# Altium PCB PCB1.PcbDoc (part 2 of 2)
Units mm, origin at the board's own origin, x right, y up, seen from the top; angles counter-clockwise.
Board outline 228.6 x 96.01 mm, 2 copper layers (Top Layer, Bottom Layer); 140 components, 87 nets, 531 pads, 47 vias.
Unrouted connection lines stored in the file: 27.
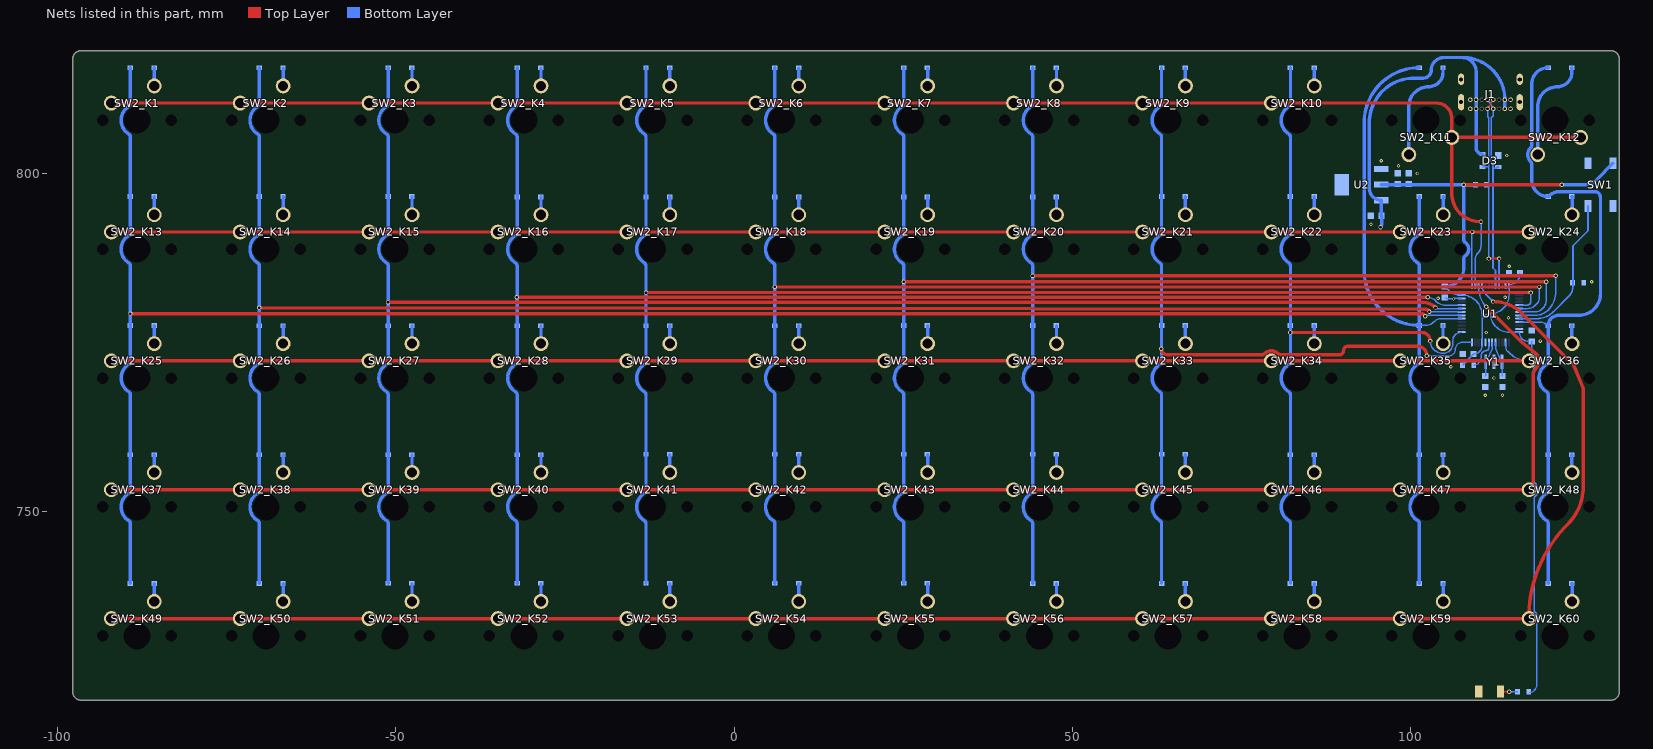
[diagram p2: the nets of this part, all layers, seen from the top]

## Part data
C1 C2 C3 C4 C5 C6: library part SFE-CAPC-0603-0.1µF-25V-±10%-X7R, "Generic Capacitor", capacitance=0.0000001, Case-IEC=0603, Manufacturer=Generic, Tolerance=±10%, Voltage=25V, DesignID=SFE-CAPC-0603-0.1µF-25V-±10%-X7R, Manufacturer Part Number=SFE-CAPC-0603-0.1µF-25V-±10%-X7R
C7: library part SFE-CAPC-0603-10µF-6.3V-±20%-X5R, "Generic Capacitor", capacitance=0.00001, Case-IEC=0603, Manufacturer=Generic, Tolerance=±20%, Voltage=6.3V, DesignID=SFE-CAPC-0603-10µF-6.3V-±20%-X5R, Manufacturer Part Number=SFE-CAPC-0603-10µF-6.3V-±20%-X5R
C8 C9: library part SFE-CAPC-0603-22pF-250V-±2%-C0G/NP0, "Generic Capacitor", capacitance=0.000000000022, Case-IEC=0603, Manufacturer=Generic, Tolerance=±2%, Voltage=250V, DesignID=SFE-CAPC-0603-22pF-250V-±2%-C0G/NP0, Manufacturer Part Number=SFE-CAPC-0603-22pF-250V-±2%-C0G/NP0
D1: library part LTST-C150TBKT, Color=Blue, Current - Test=20mA, Luminous Flux @ Current - Test=-, Manufacturer="Lite-On Inc", Millicandela Rating=104mcd, Package / Case="1206 (3216 Metric)", SafariPartNumber="15 25012RC", Supplier Part Number 1=160-1643-1-ND, Voltage - Forward (Vf) (Typ)=3.3V, Category=Optoelectronics, ComponentLink1Description=http://optoelectronics.liteon.com/upload/download/DS22-2000-026/S_110_LTST-C150TBKT(0630).pdf, ComponentLink1URL=http://optoelectronics.liteon.com/upload/download/DS22-2000-026/S_110_LTST-C150TBKT(0630).pdf, DesignID=LTST-C150TBKT, Height=1.10mm, Lens Style/Size="Rectangle with Flat Top, 2.06mm x 1.6mm", Lens Type=Clear, Manufacturer Part Number=LTST-C150TBKT, Mounting Type="Surface Mount", Packaging="Cut Tape (CT)", Pricing 1="1=0.5, 10=0.369, 100=0.1956, 250=0.13836, 500=0.11808, 1000=0.09225 (USD)", RoHS="RoHS Compliant", Size / Dimension="3.20mm L x 1.60mm W", Stock 1=267579, Supplier 1=Digi-Key, Viewing Angle=130°, Wavelength - Dominant=470nm, Wavelength - Peak=468nm
D3: library part PRTR5V0U2X,215, Capacitance @ Frequency="1pF @ 1MHz", Current - Peak Pulse (10/1000µs)=-, Manufacturer="NXP Semiconductors", Operating Temperature="-40°C ~ 85°C (TA)", Package / Case="TO-253-4, TO-253AA", Power Line Protection=Yes, SafariPartNumber="15 27314RC", Supplier Device Package=SOT-143B, Supplier Part Number 1=568-4140-1-ND, Voltage - Breakdown (Min)=6V, Voltage - Reverse Standoff (Typ)="5.5V (Max)", Applications="General Purpose", Bidirectional Channels=2, Category="Circuit Protection", ComponentLink1Description=Datasheet, ComponentLink1URL=https://assets.nexperia.com/documents/data-sheet/PRTR5V0U2X.pdf, DesignID=PRTR5V0U2X,215, Manufacturer Part Number=PRTR5V0U2X,215, Mounting Type="Surface Mount", Packaging="Cut Tape (CT)", Power - Peak Pulse=-, Pricing 1="1=0.57, 10=0.477, 25=0.418, 100=0.3578, 250=0.31036, 500=0.26286, 1000=0.20265 (USD)", RoHS="RoHS Compliant", Stock 1=19762, Supplier 1=Digi-Key, Type="Steering (Rail to Rail)", Unidirectional Channels=-, Voltage - Clamping (Max) @ Ipp=-
D4_K1 D4_K2 D4_K3 D4_K4 D4_K5 D4_K6 D4_K7 D4_K8 D4_K9 D4_K10 D4_K11 D4_K12 D4_K13 D4_K14 D4_K15 D4_K16 D4_K17 D4_K18 D4_K19 D4_K20 D4_K21 D4_K22 D4_K23 D4_K24 D4_K25 D4_K26 D4_K27 D4_K28 D4_K29 D4_K30 D4_K31 D4_K32 D4_K33 D4_K34 D4_K35 D4_K36 D4_K37 D4_K38 D4_K39 D4_K40 D4_K41 D4_K42 D4_K43 D4_K44 D4_K45 D4_K46 D4_K47 D4_K48 D4_K49 D4_K50 D4_K51 D4_K52 D4_K53 D4_K54 D4_K55 D4_K56 D4_K57 D4_K58 D4_K59 D4_K60: library part 1N4148W-7-F, Capacitance @ Vr, F="2pF @ 0V, 1MHz", Current - Average Rectified (Io)="300mA (DC)", Current - Reverse Leakage @ Vr="1µA @ 75V", Manufacturer="Diodes Incorporated", Operating Temperature - Junction="-65°C ~ 150°C", Package / Case=SOD-123, SafariPartNumber="15 15821RC", Supplier Part Number 1=1N4148W-FDICT-ND, Voltage - DC Reverse (Vr) (Max)=100V, Voltage - Forward (Vf) (Max) @ If="1.25V @ 150mA", Category="Discrete Semiconductor Products", ComponentLink1Description=http://www.diodes.com/_files/datasheets/ds30086.pdf, ComponentLink1URL=http://www.diodes.com/_files/datasheets/ds30086.pdf, DesignID=1N4148W-7-F, Diode Type=Standard, Manufacturer Part Number=1N4148W-7-F, Mounting Type="Surface Mount", Packaging="Cut Tape (CT)", Part Status=Active, Pricing 1="1=0.16, 10=0.149, 100=0.081, 500=0.04986, 1000=0.03399 (USD)", Reverse Recovery Time (trr)=4ns, RoHS="RoHS Compliant", Speed="Small Signal =< 200mA (Io), Any Speed", Stock 1=649808, Supplier 1=Digi-Key, Supplier Device Package=SOD-123
J1: "USB4085 Series 20 V PCB Top Mount USB 2.0 Type C Receptacle", Manufacturer 1="Global Connector Technology", Supplier Part Number 1=72AC6905, ComponentLink1Description=https://datasheet.ciiva.com/71788/2674755-71788146.pdf?src-supplier=Element14, ComponentLink1URL=https://datasheet.ciiva.com/71788/2674755-71788146.pdf?src-supplier=Element14, ComponentLink2Description=https://datasheet.ciiva.com/71788/usb4085-71788147.pdf?src-supplier=Digi-Key, ComponentLink2URL=https://datasheet.ciiva.com/71788/usb4085-71788147.pdf?src-supplier=Digi-Key, Contact Material="Copper Alloy", Contact Plating=Gold, Gender=Receptacle, Manufacturer Part Number 1=USB4085-GF-A, Number of Positions=16, Orientation="Right Angle", Pricing 1="1=1.38000, 10=1.23000, 25=1.15000, 50=1.06000, 100=0.91100, 250=0.83700, 700=0.77300, 1400=0.72600 (USD)", RoHS=No, Supplier 1=Newark, USB Standard="USB 2.0"
R1: library part SFE-RES-0603-470-0.1W-5%, "Generic Resistor", Case-IEC=0603, Manufacturer=Generic, Power=0.1W, Resistance=470, Temperature Coefficient=PPM, Tolerance=5%, ValueString=4705%, DesignID=SFE-RES-0603-470-0.1W-5%, Manufacturer Part Number=SFE-RES-0603-470-0.1W-5%
R2 R4: library part SFE-RES-0603-10K-0.1W-5%, "Generic Resistor", Case-IEC=0603, Manufacturer=Generic, Power=0.1W, Resistance=10000, Temperature Coefficient=PPM, Tolerance=5%, ValueString=10K5%, DesignID=SFE-RES-0603-10K-0.1W-5%, Manufacturer Part Number=SFE-RES-0603-10K-0.1W-5%
R3: library part SFE-RES-0603-1.5K-0.1W-5%, "Generic Resistor", Case-IEC=0603, Manufacturer=Generic, Power=0.1W, Resistance=1500, Temperature Coefficient=PPM, Tolerance=5%, ValueString=1.5K5%, DesignID=SFE-RES-0603-1.5K-0.1W-5%, Manufacturer Part Number=SFE-RES-0603-1.5K-0.1W-5%
SW1: library part TL3342F160QG/TR, Contact Rating @ Voltage="0.05A @ 12VDC", Illumination Type, Color=-, Manufacturer=E-Switch, Operating Force=160gf, Supplier Part Number 1=EG2531CT-ND, Actuator Height off PCB, from Pins=1.54mm, Actuator Material="Polyphenylene Sulfide (PPS)", Actuator Orientation="Top Actuated", Actuator Type=Standard, Category=Switches, Circuit=SPST-NO, ComponentLink1Description=https://www.e-switch.com/system/asset/product_line/data_sheet/165/TL3342.pdf, ComponentLink1URL=https://www.e-switch.com/system/asset/product_line/data_sheet/165/TL3342.pdf, DesignID=TL3342F160QG/TR, Features=-, Illumination=Non-Illuminated, Illumination Voltage (Nominal)=-, Ingress Protection=-, Manufacturer Part Number=TL3342F160QG/TR, Mechanical Life="100,000 Cycles", Mounting Type="Surface Mount", Operating Temperature=-, Outline="4.90mm x 4.90mm", Packaging="Cut Tape (CT)", Pricing 1="1=0.63, 10=0.603, 25=0.5916, 50=0.5694, 100=0.4913, 250=0.4466, 500=0.42428, 1000=0.33495 (USD)", RoHS="RoHS Compliant", Stock 1=54320, Supplier 1=Digi-Key, Switch Function=Off-Mom, Switch Travel=-, Termination Style="Gull Wing"
SW2_K1 SW2_K2 SW2_K3 SW2_K4 SW2_K5 SW2_K6 SW2_K7 SW2_K8 SW2_K9 SW2_K10 SW2_K11 SW2_K12 SW2_K13 SW2_K14 SW2_K15 SW2_K16 SW2_K17 SW2_K18 SW2_K19 SW2_K20 SW2_K21 SW2_K22 SW2_K23 SW2_K24 SW2_K25 SW2_K26 SW2_K27 SW2_K28 SW2_K29 SW2_K30 SW2_K31 SW2_K32 SW2_K33 SW2_K34 SW2_K35 SW2_K36 SW2_K37 SW2_K38 SW2_K39 SW2_K40 SW2_K41 SW2_K42 SW2_K43 SW2_K44 SW2_K45 SW2_K46 SW2_K47 SW2_K48 SW2_K49 SW2_K50 SW2_K51 SW2_K52 SW2_K53 SW2_K54 SW2_K55 SW2_K56 SW2_K57 SW2_K58 SW2_K59 SW2_K60: "SWITCH PUSH SPST-NO 0.01A 12V", Contact Current Rating=10mA, Contact Resistance=200mR, Flammability Rating="UL94 HB", Manufacturer 1=Cherry, Max Operating Temperature=70°C, Max Voltage Rating (AC)=12V, Min Operating Temperature=-10°C, Operating Force=0.5N, Package Quantity=1000, Supplier Part Number 1=CH197-ND, Actuator Length=3.6mm, ComponentLink1Description=https://datasheet.ciiva.com/2869/mx20series-2869568.pdf?src-supplier=Digi-Key, ComponentLink1URL=https://datasheet.ciiva.com/2869/mx20series-2869568.pdf?src-supplier=Digi-Key, ComponentLink2Description=https://datasheet.ciiva.com/5259/mx-cat-216303-5259204.pdf?src-supplier=Mouser, ComponentLink2URL=https://datasheet.ciiva.com/5259/mx-cat-216303-5259204.pdf?src-supplier=Mouser, Contact Material=Gold,Silver, Contact Plating=Gold, Current Rating=10mA, Electrical Life=20000000Cycles, Housing Material=Thermoplastic, Lead Free="Lead Free", Length=15.6mm, Manufacturer Part Number 1=MX1A-E1NW, Max Current Rating=10mA, Max Voltage Rating (DC)=12V, Mechanical Life=20000000Cycles, Mount="Through Hole", Number of Terminals=2, Orientation=Straight, Packaging=Bulk, Pricing 1="1=0.90000, 10=0.84000, 25=0.80000, 50=0.76000, 100=0.74000, 250=0.72000, 500=0.68000, 1000=0.64000, 5000=0.54000 (USD)", RoHS=Yes, Row Spacing=2.54mm, Stock 1=7477, Supplier 1=Digi-Key, Switch Function=Off-Mom, Terminal Pitch=6.35mm, Termination="PC Pin", Throw Configuration=SPST, Voltage Rating (AC)=12V, Voltage Rating (DC)=12V, Width=15.6mm
U1: library part STM32F303CCT6, Case/Package=LQFP, Frequency=72MHz, Manufacturer="ST Micro", Manufacturer 1=STMicroelectronics, Max Operating Temperature=85°C, Max Supply Voltage=3.6V, Min Operating Temperature=-40°C, Min Supply Voltage=2V, Package Quantity=250, Supplier Part Number 1=497-13318-ND, ComponentLink1Description=https://datasheet.ciiva.com/14666/0900766b81171360-14666656.pdf?src-supplier=RSComponents, ComponentLink1URL=https://datasheet.ciiva.com/14666/0900766b81171360-14666656.pdf?src-supplier=RSComponents, ComponentLink2Description=https://datasheet.ciiva.com/8055/1831499-8055015.pdf?src-supplier=Element14, ComponentLink2URL=https://datasheet.ciiva.com/8055/1831499-8055015.pdf?src-supplier=Element14, Contact Plating=Gold, Core Architecture=ARM, Data Bus Width=32b, DesignID=STM32F303CCT6, Height=1.45mm, Interface=I2C,SPI,USB,CAN,IrDA,UART,USART,LIN,I2S, Lead Free="Lead Free", Length=10mm, Manufacturer Part Number=STM32F303CCT6, Manufacturer Part Number 1=STM32F303CCT6, Max Frequency=72MHz, Memory Size=256KB, Memory Type=FLASH, Number of ADC Channels=39, Number of I/Os=37, Number of I2C Channels=2, Number of Pins=48, Number of Programmable I/O=27, Number of SPI Channels=3, Number of Timers/Counters=10, Number of USB Channels=1, Oscillator Type=Internal, Packaging=Tray, Peripherals=POR,PWM,WDT,DMA, Pricing 1="1=5.94000, 10=5.33600, 100=4.37190, 500=3.72172, 1000=3.13880 (USD)", Radiation Hardening=No, RAM Size=40KB, REACH SVHC="No SVHC", RoHS=Yes, Stock 1=5656, Supplier 1=Digi-Key, Watchdog Timer=Yes, Width=7.2mm
U2: library part LM1117IMPX-3.3/NOPB, Current - Limit (Min)=800mA, Manufacturer="Texas Instruments", Operating Temperature="-40°C ~ 125°C", Package / Case="TO-261-4, TO-261AA", SafariPartNumber="15 24656RC", Supplier Device Package=SOT-223-4, Supplier Part Number 1=LM1117IMPX-3.3/NOPBCT-ND, Voltage - Dropout (Typical)="1.2V @ 800mA", Voltage - Input="Up to 15V", Voltage - Output=3.3V, Category="Integrated Circuits (ICs)", ComponentLink1Description=http://www.ti.com/lit/ds/symlink/lm1117.pdf, ComponentLink1URL=http://www.ti.com/lit/ds/symlink/lm1117.pdf, Current - Output=800mA, DesignID=LM1117IMPX-3.3/NOPB, Manufacturer Part Number=LM1117IMPX-3.3/NOPB, Mounting Type="Surface Mount", Number of Regulators=1, Packaging="Cut Tape (CT)", Pricing 1="1=1.04, 10=0.927, 100=0.7229, 500=0.5978, 1000=0.47275 (USD)", Regulator Topology="Positive Fixed", RoHS="RoHS Compliant", Stock 1=19906, Supplier 1=Digi-Key, Supplier 2=Mouser, Supplier 3=Newark, Supplier Part Number 2=926-LM1117IMPX33NOPB, Supplier Part Number 3=28X3413
Y1: library part CSTCE8M00G55-R0, capacitance=33pF, Frequency=8MHz, Frequency Stability=±0.2%, Frequency Tolerance=±0.5%, Manufacturer="Murata Electronics North America", Operating Temperature="-20°C ~ 80°C", Package / Case="3-SMD, Non-Standard", Supplier Part Number 1=490-1195-1-ND, Category="Crystals and Oscillators", ComponentLink1Description=http://www.murata.com/~/media/webrenewal/support/library/catalog/products/timingdevice/ceralock/p16e.ashx, ComponentLink1URL=http://www.murata.com/~/media/webrenewal/support/library/catalog/products/timingdevice/ceralock/p16e.ashx, DesignID=CSTCE8M00G55-R0, Features="Built in Capacitor", Height="0.031\" (0.80mm)", Impedance=-, Manufacturer Part Number=CSTCE8M00G55-R0, Mounting Type="Surface Mount", Packaging="Cut Tape (CT)", Pricing 1="1=0.46, 10=0.384, 50=0.3456, 100=0.3074, 500=0.29134, 1000=0.24595 (USD)", RoHS="RoHS Compliant", Size / Dimension="0.126\" L x 0.051\" W (3.20mm x 1.30mm)", Stock 1=11412, Supplier 1=Digi-Key, Type=Ceramic

## Via types
v1: diameter 0.635, hole 0.381, Top Layer to Bottom Layer, tented both sides, 30 vias
v2: diameter 0.508, hole 0.254, Top Layer to Bottom Layer, tented both sides, 17 vias

## Nets (pads, with @x,y where several pads share a name; then routed paths per layer and width w, separated by ;. In a path a pad name is that pad's centre, name@x,y a point inside that pad or via, vN(x,y) a via of type N, cw(c..) or ccw(c..) an arc to the next point about the centre after c; other vN are vias at no path point)
Col1: D4_K1.1 D4_K13.1 D4_K25.1 D4_K37.1 D4_K49.1 U1.18 | length 277.1
  Top Layer w0.5: v1(-89.253,779.272) 101.617,779.272 ; 101.618,779.272 cw(c101.615,778.772) 102.095,778.912 v1(102.108,778.868)
  Bottom Layer w0.2: v1(102.108,778.868) cw(c102.302,778.818) 102.302,779.018 107.506,779.018 U1.18@107.51,779.022
  Bottom Layer w0.5: D4_K49.1@-89.253,739.422 -89.253,748.24 ccw(c-89.753,748.242) -89.494,748.669 cw(c-88.265,750.697) -89.494,752.725 ccw(c-89.753,753.152) -89.253,753.154 D4_K37.1@-89.253,758.416 -89.253,767.29 ccw(c-89.753,767.292) -89.494,767.719 cw(c-88.265,769.747) -89.494,771.775 ccw(c-89.753,772.202) -89.253,772.204 D4_K25.1@-89.253,777.522 v1(-89.253,779.272) -89.253,786.34 ccw(c-89.753,786.342) -89.494,786.769 cw(c-88.265,788.797) -89.494,790.825 ccw(c-89.753,791.252) -89.253,791.254 D4_K13.1@-89.253,796.572 -89.253,805.39 ccw(c-89.753,805.392) -89.494,805.819 cw(c-88.265,807.847) -89.494,809.875 ccw(c-89.753,810.302) -89.253,810.304 D4_K1.1@-89.253,815.594
Col2: D4_K2.1 D4_K14.1 D4_K26.1 D4_K38.1 D4_K50.1 U1.19 | length 258
  Top Layer w0.5: v1(-70.231,780.161) 101.615,779.899 102.171,779.898 cw(c102.172,779.398) 102.343,779.868 102.457,779.826 cw(c102.288,779.356) 102.741,779.567 v1(102.743,779.562)
  Bottom Layer w0.2: v1(102.743,779.562) 102.743,779.526 102.747,779.522 U1.19@107.51,779.522
  Bottom Layer w0.5: D4_K50.1@-70.203,739.422 -70.203,748.24 ccw(c-70.703,748.242) -70.444,748.669 cw(c-69.215,750.697) -70.444,752.725 ccw(c-70.703,753.152) -70.203,753.154 -70.203,767.29 ccw(c-70.703,767.292) -70.444,767.719 cw(c-69.215,769.747) -70.444,771.775 ccw(c-70.703,772.202) -70.203,772.204 -70.203,786.34 ccw(c-70.703,786.342) -70.444,786.769 cw(c-69.215,788.797) -70.444,790.825 ccw(c-70.703,791.252) -70.203,791.254 D4_K14.1@-70.203,796.572 -70.203,805.39 ccw(c-70.703,805.392) -70.444,805.819 cw(c-69.215,807.847) -70.444,809.875 ccw(c-70.703,810.302) -70.203,810.304 D4_K2.1@-70.203,815.622
Col3: D4_K3.1 D4_K15.1 D4_K27.1 D4_K39.1 D4_K51.1 U1.20 | length 239.1
  Top Layer w0.5: v1(-51.181,780.923) 101.792,780.923 cw(c101.792,778.321) v1(103.632,780.161)
  Bottom Layer w0.2: v1(103.632,780.161) 103.759,780.034 ccw(c103.788,780.063) 103.788,780.022 U1.20@107.51,780.022
  Bottom Layer w0.5: D4_K51.1@-51.153,739.422 -51.153,748.24 ccw(c-51.653,748.242) -51.394,748.669 cw(c-50.165,750.697) -51.394,752.725 ccw(c-51.653,753.152) -51.153,753.154 -51.153,767.29 ccw(c-51.653,767.292) -51.394,767.719 cw(c-50.165,769.747) -51.394,771.775 ccw(c-51.653,772.202) -51.153,772.204 -51.153,786.34 ccw(c-51.653,786.342) -51.394,786.769 cw(c-50.165,788.797) -51.394,790.825 ccw(c-51.653,791.252) -51.153,791.254 D4_K15.1@-51.153,796.572 -51.153,805.39 ccw(c-51.653,805.392) -51.394,805.819 cw(c-50.165,807.847) -51.394,809.875 ccw(c-51.653,810.302) -51.153,810.304 D4_K3.1@-51.153,815.622
Col4: D4_K4.1 D4_K16.1 D4_K28.1 D4_K40.1 D4_K52.1 U1.21 | length 220.1
  Top Layer w0.5: v1(-32.131,781.685) v1(102.489,781.685)
  Bottom Layer w0.2: v1(102.489,781.685) cw(c102.489,780.152) 103.573,781.236 103.759,781.05 ccw(c105.034,782.325) 105.034,780.522 U1.21@107.51,780.522
  Bottom Layer w0.5: D4_K52.1@-32.103,739.422 -32.103,748.24 ccw(c-32.603,748.242) -32.344,748.669 cw(c-31.115,750.697) -32.344,752.725 ccw(c-32.603,753.152) -32.103,753.154 -32.103,767.29 ccw(c-32.603,767.292) -32.344,767.719 cw(c-31.115,769.747) -32.344,771.775 ccw(c-32.603,772.202) -32.103,772.204 -32.103,786.34 ccw(c-32.603,786.342) -32.344,786.769 cw(c-31.115,788.797) -32.344,790.825 ccw(c-32.603,791.252) -32.103,791.254 -32.103,805.39 ccw(c-32.603,805.392) -32.344,805.819 cw(c-31.115,807.847) -32.344,809.875 ccw(c-32.603,810.302) -32.103,810.304 D4_K4.1@-32.103,815.622
Col5: D4_K5.1 D4_K17.1 D4_K29.1 D4_K41.1 D4_K53.1 U1.40 | length 214.3
  Top Layer w0.5: v1(-13.053,782.379) v1(117.729,782.379)
  Bottom Layer w0.2: U1.40@116.01,780.522 117.201,780.522 ccw(c117.201,781.05) 117.729,781.05 v1(117.729,782.379)
  Bottom Layer w0.5: D4_K53.1@-13.053,739.422 -13.053,748.24 ccw(c-13.553,748.242) -13.294,748.669 cw(c-12.065,750.697) -13.294,752.725 ccw(c-13.553,753.152) -13.053,753.154 D4_K41.1@-13.053,758.472 -13.053,767.29 ccw(c-13.553,767.292) -13.294,767.719 cw(c-12.065,769.747) -13.294,771.775 ccw(c-13.553,772.202) -13.053,772.204 D4_K29.1@-13.053,777.466 v1(-13.053,782.379) -13.053,786.34 ccw(c-13.553,786.342) -13.294,786.769 cw(c-12.065,788.797) -13.294,790.825 ccw(c-13.553,791.252) -13.053,791.254 D4_K17.1@-13.053,796.516 -13.053,805.39 ccw(c-13.553,805.392) -13.294,805.819 cw(c-12.065,807.847) -13.294,809.875 ccw(c-13.553,810.302) -13.053,810.304 D4_K5.1@-13.053,815.594 D4_K5.1@-13.053,815.622
Col6: D4_K6.1 D4_K18.1 D4_K30.1 D4_K42.1 D4_K54.1 U1.41 | length 198.6
  Top Layer w0.5: v1(5.969,783.209) v1(118.999,783.209)
  Bottom Layer w0.2: U1.41@116.01,780.022 117.209,780.022 ccw(c117.209,781.812) 118.999,781.812 v1(118.999,783.209)
  Bottom Layer w0.5: D4_K54.1@5.997,739.422 5.997,748.24 ccw(c5.497,748.242) 5.756,748.669 cw(c6.985,750.697) 5.756,752.725 ccw(c5.497,753.152) 5.997,753.154 D4_K42.1@5.997,758.472 5.997,767.29 ccw(c5.497,767.292) 5.756,767.719 cw(c6.985,769.747) 5.756,771.775 ccw(c5.497,772.202) 5.997,772.204 5.997,786.34 ccw(c5.497,786.342) 5.756,786.769 cw(c6.985,788.797) 5.756,790.825 ccw(c5.497,791.252) 5.997,791.254 5.997,805.39 ccw(c5.497,805.392) 5.756,805.819 cw(c6.985,807.847) 5.756,809.875 ccw(c5.497,810.302) 5.997,810.304 D4_K6.1@5.997,815.622
Col7: D4_K7.1 D4_K19.1 D4_K31.1 D4_K43.1 D4_K55.1 U1.42 | length 182.8
  Top Layer w0.5: v1(25.019,783.971) v1(120.015,783.971)
  Bottom Layer w0.2: U1.42@116.01,779.522 118.233,779.522 ccw(c118.233,781.304) 120.015,781.304 v1(120.015,783.971)
  Bottom Layer w0.5: D4_K55.1@25.047,739.422 25.047,748.24 ccw(c24.547,748.242) 24.806,748.669 cw(c26.035,750.697) 24.806,752.725 ccw(c24.547,753.152) 25.047,753.154 D4_K43.1@25.047,758.472 25.047,767.29 ccw(c24.547,767.292) 24.806,767.719 cw(c26.035,769.747) 24.806,771.775 ccw(c24.547,772.202) 25.047,772.204 D4_K31.1@25.047,777.522 25.047,786.34 ccw(c24.547,786.342) 24.806,786.769 cw(c26.035,788.797) 24.806,790.825 ccw(c24.547,791.252) 25.047,791.254 25.047,805.39 ccw(c24.547,805.392) 24.806,805.819 cw(c26.035,807.847) 24.806,809.875 ccw(c24.547,810.302) 25.047,810.304 D4_K7.1@25.047,815.622
Col8: D4_K8.1 D4_K20.1 D4_K32.1 D4_K44.1 D4_K56.1 U1.43 | length 167.3
  Top Layer w0.5: v1(44.069,784.86) v1(121.412,784.86)
  Bottom Layer w0.2: U1.43@116.01,779.022 118.439,779.022 ccw(c118.439,781.61) 120.269,779.78 ccw(c117.51,782.539) 121.412,782.539 v1(121.412,784.86)
  Bottom Layer w0.5: D4_K56.1@44.097,739.422 44.097,748.24 ccw(c43.597,748.242) 43.856,748.669 cw(c45.085,750.697) 43.856,752.725 ccw(c43.597,753.152) 44.097,753.154 D4_K44.1@44.097,758.472 44.097,767.29 ccw(c43.597,767.292) 43.856,767.719 cw(c45.085,769.747) 43.856,771.775 ccw(c43.597,772.202) 44.097,772.204 D4_K32.1@44.097,777.522 44.097,786.34 ccw(c43.597,786.342) 43.856,786.769 cw(c45.085,788.797) 43.856,790.825 ccw(c43.597,791.252) 44.097,791.254 44.097,805.39 ccw(c43.597,805.392) 43.856,805.819 cw(c45.085,807.847) 43.856,809.875 ccw(c43.597,810.302) 44.097,810.304 D4_K8.1@44.097,815.622
Col9: D4_K9.1 D4_K21.1 D4_K33.1 D4_K45.1 D4_K57.1 U1.12 | length 129.5
  Top Layer w0.5: v1(63.119,774.065) ccw(c64.008,774.065) 64.008,773.176 77.968,773.176 ccw(c77.968,773.676) 78.324,773.325 cw(c79.375,772.287) 80.426,773.325 ccw(c80.782,773.676) 80.782,773.176 87.374,773.176 87.376,773.176 89.408,773.176 ccw(c89.408,773.811) 90.043,773.811 cw(c90.678,773.811) 90.678,774.446 100.965,774.446 cw(c100.965,773.049) v1(102.362,773.049)
  Bottom Layer w0.2: v1(102.362,773.049) 105.664,773.049 ccw(c105.664,773.938) 106.553,773.938 cw(c107.637,773.938) 107.637,775.022 U1.12@109.01,775.022
  Bottom Layer w0.5: D4_K57.1@63.147,739.422 63.147,748.24 ccw(c62.647,748.242) 62.906,748.669 cw(c64.135,750.697) 62.906,752.725 ccw(c62.647,753.152) 63.147,753.154 D4_K45.1@63.147,758.472 63.147,767.29 ccw(c62.647,767.292) 62.906,767.719 cw(c64.135,769.747) 62.906,771.775 ccw(c62.647,772.202) 63.147,772.204 D4_K33.1@63.147,777.522 63.147,786.34 ccw(c62.647,786.342) 62.906,786.769 cw(c64.135,788.797) 62.906,790.825 ccw(c62.647,791.252) 63.147,791.254 D4_K21.1@63.147,796.572 63.147,805.39 ccw(c62.647,805.392) 62.906,805.819 cw(c64.135,807.847) 62.906,809.875 ccw(c62.647,810.302) 63.147,810.304 D4_K9.1@63.147,815.622
Col10: D4_K10.1 D4_K22.1 D4_K34.1 D4_K46.1 D4_K58.1 U1.13 | length 109.2
  Top Layer w0.5: v1(82.169,776.478) 101.6,776.478 cw(c101.6,775.208) v1(102.87,775.208)
  Bottom Layer w0.2: v1(102.87,775.208) ccw(c104.648,775.208) 104.648,773.43 104.86,773.43 ccw(c104.86,774.742) 106.172,774.742 106.172,775.184 cw(c107.51,775.184) U1.13@107.51,776.522
  Bottom Layer w0.5: D4_K58.1@82.197,739.422 82.197,748.24 ccw(c81.697,748.242) 81.956,748.669 cw(c83.185,750.697) 81.956,752.725 ccw(c81.697,753.152) 82.197,753.154 82.197,767.29 ccw(c81.697,767.292) 81.956,767.719 cw(c83.185,769.747) 81.956,771.775 ccw(c81.697,772.202) 82.197,772.204 D4_K34.1@82.197,777.522 82.197,786.34 ccw(c81.697,786.342) 81.956,786.769 cw(c83.185,788.797) 81.956,790.825 ccw(c81.697,791.252) 82.197,791.254 D4_K22.1@82.197,796.572 82.197,805.39 ccw(c81.697,805.392) 81.956,805.819 cw(c83.185,807.847) 81.956,809.875 ccw(c81.697,810.302) 82.197,810.304 D4_K10.1@82.197,815.622
Col11: D4_K11.1 D4_K23.1 D4_K35.1 D4_K47.1 D4_K59.1 U1.17 | length 114
  Bottom Layer w0.2: D4_K35.1@101.247,777.522 102.04,777.522 ccw(c102.04,779.594) 103.505,778.129 cw(c104.454,777.18) 104.454,778.522 U1.17@107.51,778.522
  Bottom Layer w0.5: D4_K59.1@101.247,739.422 101.247,748.24 ccw(c100.747,748.242) 101.006,748.669 cw(c102.235,750.697) 101.006,752.725 ccw(c100.747,753.152) 101.247,753.154 D4_K47.1@101.247,758.416 101.247,767.29 ccw(c100.747,767.292) 101.006,767.719 cw(c102.235,769.747) 101.006,771.775 ccw(c100.747,772.202) 101.247,772.204 D4_K35.1@101.247,777.522 ; D4_K23.1@101.247,796.572 101.247,791.254 cw(c100.747,791.252) 101.006,790.825 ccw(c102.235,788.797) 101.006,786.769 cw(c100.747,786.342) 101.247,786.34 D4_K35.1@101.247,777.522 ; D4_K11.1@101.247,815.622 ccw(c101.247,807.466) 93.091,807.466 93.091,785.678 ccw(c101.247,785.678) D4_K35.1@101.247,777.522
Col12: D4_K12.1 D4_K24.1 D4_K36.1 D4_K48.1 D4_K60.1 U1.45 | length 99.7
  Bottom Layer w0.2: U1.45@116.01,778.022 118.955,778.022 cw(c118.955,776.124) D4_K36.1@120.297,777.466
  Bottom Layer w0.5: D4_K60.1@120.297,739.422 120.297,748.24 ccw(c119.797,748.242) 120.056,748.669 cw(c121.285,750.697) 120.056,752.725 ccw(c119.797,753.152) 120.297,753.154 D4_K48.1@120.297,758.416 120.297,767.29 ccw(c119.797,767.292) 120.056,767.719 cw(c121.285,769.747) 120.056,771.775 ccw(c119.797,772.202) 120.297,772.204 D4_K36.1@120.297,777.466 cw(c121.849,777.466) 121.849,779.018 124.841,779.018 ccw(c124.841,782.193) 128.016,782.193 128.016,796.417 ccw(c127.127,796.417) 127.127,797.306 122.069,797.306 ccw(c122.069,794.8) D4_K24.1@120.297,796.572 cw(c120.297,799.013) 117.856,799.013 117.856,801.359 ccw(c117.356,801.36) 117.707,801.716 cw(c118.745,802.767) 117.707,803.818 ccw(c117.356,804.174) 117.856,804.175 117.856,813.181 cw(c120.297,813.181) D4_K12.1@120.297,815.622
GND: C1.2 C2.2 C3.2 C4.2 C5.2 C6.2 C7.2 C8.2 C9.2 D1.1 D3.1 J1.1 J1.8 J1.9 J1.16 J1.17 J1.18 J1.19 J1.20 R2.1 U1.8 U1.23 U1.35 U1.47 U2.1 Y1.2 | length 2.6
  Bottom Layer w0.2: C2.2@105.029,781.647 ccw(c105.55,782.168) 105.55,781.431 v2(106.299,781.431) cw(c106.519,781.211) 106.519,781.522 U1.23@107.51,781.522
  other v2: 110.998,767.207 113.538,767.207 112.268,769.747 105.918,771.398 119.126,775.208 111.125,776.478 114.427,778.637 104.013,781.558 113.919,781.685 126.746,783.971 114.554,786.257 94.107,792.48 100.965,799.973 98.171,801.116 95.631,801.878 114.173,802.64
NetC8_1: C8.1 U1.6 Y1.1 | length 5.2
  Bottom Layer w0.2: C8.1@110.998,770.039 ccw(c110.829,770.208) 111.068,770.208 Y1.1@111.068,772.16 Y1.1@111.266,772.358 ; Y1.1@111.267,772.359 ccw(c111.124,772.499) 111.309,772.423 111.995,774.077 ccw(c111.81,774.154) 112.01,774.154 U1.6@112.01,775.022
NetC9_1: C9.1 U1.5 Y1.3 | length 5.2
  Bottom Layer w0.2: U1.5@112.51,775.022 112.51,774.17 ccw(c112.71,774.17) 112.525,774.094 113.211,772.438 ccw(c113.396,772.515) 113.254,772.374 Y1.3@113.468,772.16 113.468,770.208 ccw(c113.707,770.208) C9.1@113.538,770.039
NetD1_2: D1.2 R1.1 | length 2.5
  Top Layer w0.2: D1.2@113.233,723.392 v1(114.554,723.392)
  Bottom Layer w0.2: v1(114.554,723.392) R1.1@115.761,723.392
NetD4_K1_2: D4_K1.2 SW2_K1.2 | length 2.7
  Bottom Layer w0.5: D4_K1.2@-85.753,815.594 cw(c-85.753,815.566) -85.725,815.566 SW2_K1.2@-85.725,812.927
NetD4_K2_2: D4_K2.2 SW2_K2.2 | length 2.6
  Bottom Layer w0.5: SW2_K2.2@-66.675,812.927 D4_K2.2@-66.675,815.566
NetD4_K3_2: D4_K3.2 SW2_K3.2 | length 2.6
  Bottom Layer w0.5: SW2_K3.2@-47.625,812.927 D4_K3.2@-47.625,815.566
NetD4_K4_2: D4_K4.2 SW2_K4.2 | length 2.6
  Bottom Layer w0.5: SW2_K4.2@-28.575,812.927 D4_K4.2@-28.575,815.566
NetD4_K5_2: D4_K5.2 SW2_K5.2 | length 2.6
  Bottom Layer w0.5: SW2_K5.2@-9.525,812.927 D4_K5.2@-9.525,815.566
NetD4_K6_2: D4_K6.2 SW2_K6.2 | length 2.6
  Bottom Layer w0.5: SW2_K6.2@9.525,812.927 D4_K6.2@9.525,815.566
NetD4_K7_2: D4_K7.2 SW2_K7.2 | length 2.6
  Bottom Layer w0.5: SW2_K7.2@28.575,812.927 D4_K7.2@28.575,815.566
NetD4_K8_2: D4_K8.2 SW2_K8.2 | length 2.6
  Bottom Layer w0.5: SW2_K8.2@47.625,812.927 D4_K8.2@47.625,815.566
NetD4_K9_2: D4_K9.2 SW2_K9.2 | length 2.6
  Bottom Layer w0.5: SW2_K9.2@66.675,812.927 D4_K9.2@66.675,815.566
NetD4_K10_2: D4_K10.2 SW2_K10.2 | length 2.6
  Bottom Layer w0.5: SW2_K10.2@85.725,812.927 D4_K10.2@85.725,815.566
NetD4_K11_2: D4_K11.2 SW2_K11.2 | length 15.7
  Bottom Layer w0.5: SW2_K11.2@99.695,802.767 99.695,809.879 cw(c102.616,809.879) 102.616,812.8 ccw(c102.616,814.931) 104.747,814.931 D4_K11.2@104.747,815.622
NetD4_K12_2: D4_K12.2 SW2_K12.2 | length 15.7
  Bottom Layer w0.5: SW2_K12.2@118.745,802.767 118.745,809.879 cw(c121.666,809.879) 121.666,812.8 ccw(c121.666,814.931) 123.797,814.931 D4_K12.2@123.797,815.622
NetD4_K13_2: D4_K13.2 SW2_K13.2 | length 2.6
  Bottom Layer w0.5: SW2_K13.2@-85.725,793.877 D4_K13.2@-85.725,796.516
NetD4_K14_2: D4_K14.2 SW2_K14.2 | length 2.6
  Bottom Layer w0.5: SW2_K14.2@-66.675,793.877 D4_K14.2@-66.675,796.516
NetD4_K15_2: D4_K15.2 SW2_K15.2 | length 2.6
  Bottom Layer w0.5: SW2_K15.2@-47.625,793.877 D4_K15.2@-47.625,796.516
NetD4_K16_2: D4_K16.2 SW2_K16.2 | length 2.6
  Bottom Layer w0.5: SW2_K16.2@-28.575,793.877 D4_K16.2@-28.575,796.516
NetD4_K17_2: D4_K17.2 SW2_K17.2 | length 2.6
  Bottom Layer w0.5: SW2_K17.2@-9.525,793.877 D4_K17.2@-9.525,796.516
NetD4_K18_2: D4_K18.2 SW2_K18.2 | length 2.6
  Bottom Layer w0.5: SW2_K18.2@9.525,793.877 D4_K18.2@9.525,796.516
NetD4_K19_2: D4_K19.2 SW2_K19.2 | length 2.6
  Bottom Layer w0.5: SW2_K19.2@28.575,793.877 D4_K19.2@28.575,796.516
NetD4_K20_2: D4_K20.2 SW2_K20.2 | length 2.6
  Bottom Layer w0.5: SW2_K20.2@47.625,793.877 D4_K20.2@47.625,796.516
NetD4_K21_2: D4_K21.2 SW2_K21.2 | length 2.6
  Bottom Layer w0.5: SW2_K21.2@66.675,793.877 D4_K21.2@66.675,796.516
NetD4_K22_2: D4_K22.2 SW2_K22.2 | length 2.6
  Bottom Layer w0.5: SW2_K22.2@85.725,793.877 D4_K22.2@85.725,796.516
NetD4_K23_2: D4_K23.2 SW2_K23.2 | length 2.7
  Bottom Layer w0.5: D4_K23.2@104.747,796.572 cw(c104.747,796.544) 104.775,796.544 SW2_K23.2@104.775,793.877
NetD4_K24_2: D4_K24.2 SW2_K24.2 | length 2.7
  Bottom Layer w0.5: D4_K24.2@123.797,796.572 cw(c123.797,796.544) 123.825,796.544 SW2_K24.2@123.825,793.877
NetD4_K25_2: D4_K25.2 SW2_K25.2 | length 2.6
  Bottom Layer w0.5: SW2_K25.2@-85.725,774.827 D4_K25.2@-85.725,777.466
NetD4_K26_2: D4_K26.2 SW2_K26.2 | length 2.6
  Bottom Layer w0.5: SW2_K26.2@-66.675,774.827 D4_K26.2@-66.675,777.466
NetD4_K27_2: D4_K27.2 SW2_K27.2 | length 2.6
  Bottom Layer w0.5: SW2_K27.2@-47.625,774.827 D4_K27.2@-47.625,777.466
NetD4_K28_2: D4_K28.2 SW2_K28.2 | length 2.6
  Bottom Layer w0.5: SW2_K28.2@-28.575,774.827 D4_K28.2@-28.575,777.466
NetD4_K29_2: D4_K29.2 SW2_K29.2 | length 2.6
  Bottom Layer w0.5: SW2_K29.2@-9.525,774.827 D4_K29.2@-9.525,777.466
NetD4_K30_2: D4_K30.2 SW2_K30.2 | length 2.6
  Bottom Layer w0.5: SW2_K30.2@9.525,774.827 D4_K30.2@9.525,777.466
NetD4_K31_2: D4_K31.2 SW2_K31.2 | length 2.6
  Bottom Layer w0.5: SW2_K31.2@28.575,774.827 D4_K31.2@28.575,777.466
NetD4_K32_2: D4_K32.2 SW2_K32.2 | length 2.6
  Bottom Layer w0.5: SW2_K32.2@47.625,774.827 D4_K32.2@47.625,777.466
NetD4_K33_2: D4_K33.2 SW2_K33.2 | length 2.6
  Bottom Layer w0.5: SW2_K33.2@66.675,774.827 D4_K33.2@66.675,777.466
NetD4_K34_2: D4_K34.2 SW2_K34.2 | length 2.6
  Bottom Layer w0.5: SW2_K34.2@85.725,774.827 D4_K34.2@85.725,777.466
NetD4_K35_2: D4_K35.2 SW2_K35.2 | length 2.7
  Bottom Layer w0.5: D4_K35.2@104.747,777.522 104.747,774.855 ccw(c104.775,774.855) SW2_K35.2@104.775,774.827
NetD4_K36_2: D4_K36.2 SW2_K36.2 | length 2.7
  Bottom Layer w0.5: D4_K36.2@123.797,777.466 123.797,774.855 ccw(c123.825,774.855) SW2_K36.2@123.825,774.827
NetD4_K37_2: D4_K37.2 SW2_K37.2 | length 2.6
  Bottom Layer w0.5: SW2_K37.2@-85.725,755.777 D4_K37.2@-85.725,758.416
NetD4_K38_2: D4_K38.2 SW2_K38.2 | length 2.6
  Bottom Layer w0.5: SW2_K38.2@-66.675,755.777 D4_K38.2@-66.675,758.416
NetD4_K39_2: D4_K39.2 SW2_K39.2 | length 2.6
  Bottom Layer w0.5: SW2_K39.2@-47.625,755.777 D4_K39.2@-47.625,758.416
NetD4_K40_2: D4_K40.2 SW2_K40.2 | length 2.6
  Bottom Layer w0.5: SW2_K40.2@-28.575,755.777 D4_K40.2@-28.575,758.416
NetD4_K41_2: D4_K41.2 SW2_K41.2 | length 2.6
  Bottom Layer w0.5: SW2_K41.2@-9.525,755.777 D4_K41.2@-9.525,758.416
NetD4_K42_2: D4_K42.2 SW2_K42.2 | length 2.6
  Bottom Layer w0.5: SW2_K42.2@9.525,755.777 D4_K42.2@9.525,758.416
NetD4_K43_2: D4_K43.2 SW2_K43.2 | length 2.6
  Bottom Layer w0.5: SW2_K43.2@28.575,755.777 D4_K43.2@28.575,758.416
NetD4_K44_2: D4_K44.2 SW2_K44.2 | length 2.6
  Bottom Layer w0.5: SW2_K44.2@47.625,755.777 D4_K44.2@47.625,758.416
NetD4_K45_2: D4_K45.2 SW2_K45.2 | length 2.6
  Bottom Layer w0.5: SW2_K45.2@66.675,755.777 D4_K45.2@66.675,758.416
NetD4_K46_2: D4_K46.2 SW2_K46.2 | length 2.6
  Bottom Layer w0.5: SW2_K46.2@85.725,755.777 D4_K46.2@85.725,758.416
NetD4_K47_2: D4_K47.2 SW2_K47.2 | length 2.7
  Bottom Layer w0.5: D4_K47.2@104.747,758.416 104.747,755.805 ccw(c104.775,755.805) SW2_K47.2@104.775,755.777
NetD4_K48_2: D4_K48.2 SW2_K48.2 | length 2.7
  Bottom Layer w0.5: D4_K48.2@123.797,758.416 123.797,755.805 ccw(c123.825,755.805) SW2_K48.2@123.825,755.777
NetD4_K49_2: D4_K49.2 SW2_K49.2 | length 2.6
  Bottom Layer w0.5: SW2_K49.2@-85.725,736.727 D4_K49.2@-85.725,739.366
NetD4_K50_2: D4_K50.2 SW2_K50.2 | length 2.6
  Bottom Layer w0.5: SW2_K50.2@-66.675,736.727 D4_K50.2@-66.675,739.366
NetD4_K51_2: D4_K51.2 SW2_K51.2 | length 2.6
  Bottom Layer w0.5: SW2_K51.2@-47.625,736.727 D4_K51.2@-47.625,739.366
NetD4_K52_2: D4_K52.2 SW2_K52.2 | length 2.6
  Bottom Layer w0.5: SW2_K52.2@-28.575,736.727 D4_K52.2@-28.575,739.366
NetD4_K53_2: D4_K53.2 SW2_K53.2 | length 2.6
  Bottom Layer w0.5: SW2_K53.2@-9.525,736.727 D4_K53.2@-9.525,739.366
NetD4_K54_2: D4_K54.2 SW2_K54.2 | length 2.6
  Bottom Layer w0.5: SW2_K54.2@9.525,736.727 D4_K54.2@9.525,739.366
NetD4_K55_2: D4_K55.2 SW2_K55.2 | length 2.6
  Bottom Layer w0.5: SW2_K55.2@28.575,736.727 D4_K55.2@28.575,739.366
NetD4_K56_2: D4_K56.2 SW2_K56.2 | length 2.6
  Bottom Layer w0.5: SW2_K56.2@47.625,736.727 D4_K56.2@47.625,739.366
NetD4_K57_2: D4_K57.2 SW2_K57.2 | length 2.6
  Bottom Layer w0.5: SW2_K57.2@66.675,736.727 D4_K57.2@66.675,739.366
NetD4_K58_2: D4_K58.2 SW2_K58.2 | length 2.6
  Bottom Layer w0.5: SW2_K58.2@85.725,736.727 D4_K58.2@85.725,739.366
NetD4_K59_2: D4_K59.2 SW2_K59.2 | length 2.7
  Bottom Layer w0.5: D4_K59.2@104.747,739.366 cw(c104.747,739.338) 104.775,739.338 SW2_K59.2@104.775,736.727
NetD4_K60_2: D4_K60.2 SW2_K60.2 | length 2.7
  Bottom Layer w0.5: D4_K60.2@123.797,739.366 cw(c123.797,739.338) 123.825,739.338 SW2_K60.2@123.825,736.727
NetR2_2: R2.2 SW1.3 SW1.4 U1.44 | length 23
  Bottom Layer w0.254: U1.44@116.01,778.522 118.63,778.522 ccw(c118.63,781.895) 121.015,779.51 123.317,781.812 ccw(c121.784,783.345) 123.952,783.345 123.952,783.844 123.952,789.305 126.166,791.519 SW1.4@126.166,795.172
nRESET: R4.1 U1.7 | length 4.6
  Bottom Layer w0.2: R4.1@109.283,771.652 ccw(c109.283,772.732) 110.363,772.732 110.363,773.049 cw(c111.125,773.049) 111.125,773.811 ccw(c111.125,774.196) 111.51,774.196 U1.7@111.51,775.022
Row1: SW2_K1.1 SW2_K2.1 SW2_K3.1 SW2_K4.1 SW2_K5.1 SW2_K6.1 SW2_K7.1 SW2_K8.1 SW2_K9.1 SW2_K10.1 SW2_K11.1 SW2_K12.1 U1.26 | length 245.8
  Top Layer w0.5: SW2_K1.1@-92.075,810.387 SW2_K2.1@-73.025,810.387 SW2_K3.1@-53.975,810.387 SW2_K4.1@-34.925,810.387 SW2_K5.1@-15.875,810.387 SW2_K6.1@3.175,810.387 SW2_K7.1@22.225,810.387 SW2_K8.1@41.275,810.387 SW2_K9.1@60.325,810.387 SW2_K10.1@79.375,810.387 103.759,810.387 cw(c103.759,808.101) 106.045,808.101 SW2_K11.1@106.045,805.307 ; v1(110.363,792.861) 110.236,792.861 cw(c110.236,797.052) 106.045,797.052 SW2_K11.1@106.045,805.307 ; SW2_K12.1@125.095,805.307 SW2_K11.1@106.045,805.307
  Bottom Layer w0.2: U1.26@109.51,783.522 109.51,787.329 cw(c110.688,787.329) 109.855,788.162 ccw(c108.629,789.388) 110.363,789.388 v1(110.363,792.861)
Row2: SW2_K13.1 SW2_K14.1 SW2_K15.1 SW2_K16.1 SW2_K17.1 SW2_K18.1 SW2_K19.1 SW2_K20.1 SW2_K21.1 SW2_K22.1 SW2_K23.1 SW2_K24.1 U1.25 | length 217.4
  Top Layer w0.5: SW2_K13.1@-92.075,791.337 SW2_K14.1@-73.025,791.337 SW2_K15.1@-53.975,791.337 SW2_K16.1@-34.925,791.337 SW2_K17.1@-15.875,791.337 SW2_K18.1@3.175,791.337 SW2_K19.1@22.225,791.337 SW2_K20.1@41.275,791.337 SW2_K21.1@60.325,791.337 SW2_K22.1@79.375,791.337 SW2_K23.1@98.425,791.337 v1(109.093,791.337) SW2_K24.1@117.475,791.337
  Bottom Layer w0.2: U1.25@109.01,783.522 109.01,788.603 cw(c109.21,788.603) 109.011,788.623 ccw(c107.315,788.797) 109.011,788.971 cw(c109.21,788.991) 109.01,788.991 109.01,791.254 cw(c109.093,791.254) v1(109.093,791.337)
Row3: SW2_K25.1 SW2_K26.1 SW2_K27.1 SW2_K28.1 SW2_K29.1 SW2_K30.1 SW2_K31.1 SW2_K32.1 SW2_K33.1 SW2_K34.1 SW2_K35.1 SW2_K36.1 U1.2 | length 214.5
  Top Layer w0.5: SW2_K25.1@-92.075,772.287 SW2_K26.1@-73.025,772.287 SW2_K27.1@-53.975,772.287 SW2_K28.1@-34.925,772.287 SW2_K29.1@-15.875,772.287 SW2_K30.1@3.175,772.287 SW2_K31.1@22.225,772.287 SW2_K32.1@41.275,772.287 SW2_K33.1@60.325,772.287 SW2_K34.1@79.375,772.287 SW2_K35.1@98.425,772.287 SW2_K36.1@117.475,772.287
  Bottom Layer w0.2: U1.2@114.01,775.022 114.01,774.384 ccw(c115,774.384) 114.3,773.684 114.44,773.544 ccw(c117.475,776.579) SW2_K36.1@117.475,772.287
Row4: SW2_K37.1 SW2_K38.1 SW2_K39.1 SW2_K40.1 SW2_K41.1 SW2_K42.1 SW2_K43.1 SW2_K44.1 SW2_K45.1 SW2_K46.1 SW2_K47.1 SW2_K48.1 U1.27 | length 243.8
  Top Layer w0.5: SW2_K37.1@-92.075,753.237 SW2_K38.1@-73.025,753.237 SW2_K39.1@-53.975,753.237 SW2_K40.1@-34.925,753.237 SW2_K41.1@-15.875,753.237 SW2_K42.1@3.175,753.237 SW2_K43.1@22.225,753.237 SW2_K44.1@41.275,753.237 SW2_K45.1@60.325,753.237 SW2_K46.1@79.375,753.237 SW2_K47.1@98.425,753.237 SW2_K48.1@117.475,753.237 ccw(c116.07,754.642) 118.057,754.642 118.057,770.336 cw(c118.557,770.336) 118.139,770.612 118.708,771.474 ccw(c117.475,772.287) 118.391,773.446 116.371,775.047 cw(c116.682,775.438) 116.329,775.084 v1(111.125,780.288)
  Bottom Layer w0.2: U1.27@110.01,783.522 110.01,782.98 ccw(c113.817,782.98) v1(111.125,780.288)
Row5: SW2_K49.1 SW2_K50.1 SW2_K51.1 SW2_K52.1 SW2_K53.1 SW2_K54.1 SW2_K55.1 SW2_K56.1 SW2_K57.1 SW2_K58.1 SW2_K59.1 SW2_K60.1 U1.28 | length 268.1
  Top Layer w0.5: SW2_K49.1@-92.075,734.187 SW2_K50.1@-73.025,734.187 SW2_K51.1@-53.975,734.187 SW2_K52.1@-34.925,734.187 SW2_K53.1@-15.875,734.187 SW2_K54.1@3.175,734.187 SW2_K55.1@22.225,734.187 SW2_K56.1@41.275,734.187 SW2_K57.1@60.325,734.187 SW2_K58.1@79.375,734.187 SW2_K59.1@98.425,734.187 SW2_K60.1@117.475,734.187 ; v1(112.141,781.05) cw(c112.141,774.918) 116.477,779.254 123.952,771.779 ; SW2_K60.1@117.403,734.187 cw(c137.16,734.187) 123.191,748.158 ccw(c117.671,753.676) 125.476,753.676 125.476,768.1 ccw(c124.976,768.1) 125.437,768.293 124.06,771.617 ccw(c123.597,771.427) 123.953,771.778
  Bottom Layer w0.2: U1.28@110.51,783.522 ccw(c112.54,783.522) 111.105,782.086 v1(112.141,781.05)
USBD_N: D3.2 J1.5 J1.12 U1.32 | length 28.8
  Bottom Layer w0.254: J1.12@111.335,810.887 J1.5@112.185,809.537 112.185,808.526 111.887,808.228 111.887,801.801 112.141,801.547 112.141,800.619 ; U1.32@112.51,783.522 112.51,785.634 112.141,786.003 112.141,800.619 ; D3.2@112.76,800.928 112.599,800.767 112.29,800.767 112.141,800.619
  Bottom Layer w0.381: D3.2@112.835,801.003 D3.2@112.91,800.928
USBD_P: D3.3 J1.4 J1.13 R3.1 U1.33 | length 30.2
  Top Layer w0.254: J1.4@111.335,809.537 J1.13@112.185,810.887 ; v1@111.569,787.337 v1(111.506,787.4) v1(113.03,787.4)
  Bottom Layer w0.254: D3.3@110.61,800.928 110.671,800.989 111.506,800.989 ; J1.4@111.335,809.537 111.379,809.493 111.379,808.355 111.506,808.228 111.506,800.989 ; v1(111.506,787.4) 111.506,800.989 ; U1.33@113.01,783.522 113.01,787.38 v1(113.03,787.4)
VCC: C2.1 C3.1 C4.1 C5.1 C6.1 C7.1 R1.2 R3.2 R4.2 SW1.1 SW1.2 U1.9 U1.24 U1.36 U1.48 U2.2 U2.4 | length 142.7
  Top Layer w0.5: v1(107.823,798.322) v1(122.301,798.322)
  Bottom Layer w0.2: C2.1@105.029,783.247 105.51,782.766 ccw(c107.306,784.562) 107.306,782.022 U1.24@107.51,782.022 cw(c107.51,779.022) 110.51,779.022 110.51,778.022 ; R4.2@107.633,771.652 C4.1@109.24,773.259 ; C4.1@109.24,773.259 ccw(c109.195,773.303) C4.1@109.258,773.303 ccw(c109.258,774.555) 110.51,774.555 U1.9@110.51,775.022 110.51,778.022 ; C5.1@116.116,785.241 116.116,785.128 cw(c114.51,785.128) U1.36@114.51,783.522 114.51,782.022 cw(c111.76,782.022) 111.76,779.272 ; 117.362,775.17 cw(c117.362,776.522) U1.48@116.01,776.522 114.51,776.522 cw(c114.51,779.272) 111.76,779.272 ; R1.2@117.475,723.265 ccw(c117.475,724.369) 118.579,724.369 118.579,733.451 ccw(c117.475,734.187) 118.311,735.218 cw(c118.437,735.373) 118.237,735.373 118.237,752.051 cw(c118.437,752.051) 118.311,752.206 ccw(c117.475,753.237) 118.413,752.299 ccw(c117.475,753.237) 118.695,753.76 ccw(c117.475,753.237) 118.26,754.307 cw(c118.378,754.468) 118.178,754.468 118.178,755.792 118.178,771.162 ccw(c117.475,772.287) 118.325,773.306 ccw(c117.475,772.287) 117.98,773.514 cw(c118.056,773.699) 117.869,773.628 117.856,773.662 C3.1@117.856,775.17 ; 110.51,778.022 cw(c111.76,778.022) 111.76,779.272
  Bottom Layer w0.5: U2.2@95.635,798.322 98.044,798.322 99.695,798.322 v1(107.823,798.322) ; C2.1@105.029,783.247 ccw(c105.029,786.041) 107.823,786.041 107.823,787.394 cw(c108.323,787.394) 108.031,787.8 ccw(c107.315,788.797) 108.031,789.794 cw(c108.323,790.2) 107.823,790.2 v1(107.823,798.322) ; R3.2@109.538,798.322 v1(107.823,798.322) ; v1(122.301,798.322) 125.664,798.322 ccw(c125.664,800.862) 127.46,799.066 SW1.1@129.866,801.472
VCC_USB: C1.1 D3.4 J1.2 J1.7 J1.10 J1.15 U2.3 | length 63
  Bottom Layer w0.5: v1(95.504,792.031) ccw(c95.169,792.403) 95.669,792.403 C1.1@95.669,793.75 cw(c95.751,793.832) 95.635,793.832 U2.3@95.635,796.022 cw(c95.635,797.804) 93.853,797.804 93.853,807.466 cw(c100.457,807.466) 100.457,814.07 101.854,814.07 ccw(c101.854,815.213) 102.997,815.213 cw(c104.902,815.213) 104.902,817.118 107.569,817.118 ; D3.4@110.61,802.828 cw(c110.61,803.803) 109.635,803.803 J1.2@109.635,809.537 J1.10@109.635,810.887 109.635,815.052 ccw(c107.569,815.052) 107.569,817.118 ; J1.7@113.885,809.537 J1.15@113.885,810.887 ccw(c107.654,810.887) 107.654,817.118 107.569,817.118
pads on no net: J1.3 J1.6 J1.11 J1.14 SW2_K1.0 SW2_K2.0 SW2_K3.0 SW2_K4.0 SW2_K5.0 SW2_K6.0 SW2_K7.0 SW2_K8.0 SW2_K9.0 SW2_K10.0 SW2_K11.0 SW2_K12.0 SW2_K13.0 SW2_K14.0 SW2_K15.0 SW2_K16.0 SW2_K17.0 SW2_K18.0 SW2_K19.0 SW2_K20.0 SW2_K21.0 SW2_K22.0 SW2_K23.0 SW2_K24.0 SW2_K25.0 SW2_K26.0 SW2_K27.0 SW2_K28.0 SW2_K29.0 SW2_K30.0 SW2_K31.0 SW2_K32.0 SW2_K33.0 SW2_K34.0 SW2_K35.0 SW2_K36.0 SW2_K37.0 SW2_K38.0 SW2_K39.0 SW2_K40.0 SW2_K41.0 SW2_K42.0 SW2_K43.0 SW2_K44.0 SW2_K45.0 SW2_K46.0 SW2_K47.0 SW2_K48.0 SW2_K49.0 SW2_K50.0 SW2_K51.0 SW2_K52.0 SW2_K53.0 SW2_K54.0 SW2_K55.0 SW2_K56.0 SW2_K57.0 SW2_K58.0 SW2_K59.0 SW2_K60.0 U1.1 U1.3 U1.4 U1.10 U1.11 U1.14 U1.15 U1.16 U1.22 U1.29 U1.30 U1.31 U1.34 U1.37 U1.38 U1.39 U1.46

## Polygon pours and split planes (outlines as drawn)
GND on Top Layer "Top Layer-GND" (solid, remove dead copper, pour order 0): -96.52,722.122 cw(c-96.52,723.392) -97.79,723.392 -97.79,816.864 cw(c-96.52,816.864) -96.52,818.134 129.54,818.134 cw(c129.54,816.864) 130.81,816.864 130.81,723.392 cw(c129.54,723.392) 129.54,722.122
GND on Bottom Layer "Bottom Layer-GND" (solid, remove dead copper, pour order 1): -96.52,722.122 cw(c-96.52,723.392) -97.79,723.392 -97.79,816.864 cw(c-96.52,816.864) -96.52,818.134 129.54,818.134 cw(c129.54,816.864) 130.81,816.864 130.81,723.392 cw(c129.54,723.392) 129.54,722.122

## Silkscreen, mask and mechanical layers (free items; w line width, h text height)
Mechanical 1:
  the board outline again, w0.254
Clearence:
  drawing of 1570 lines, arcs and shapes, not listed